# KiCad board glasgow_revD0.kicad_pcb (continued)
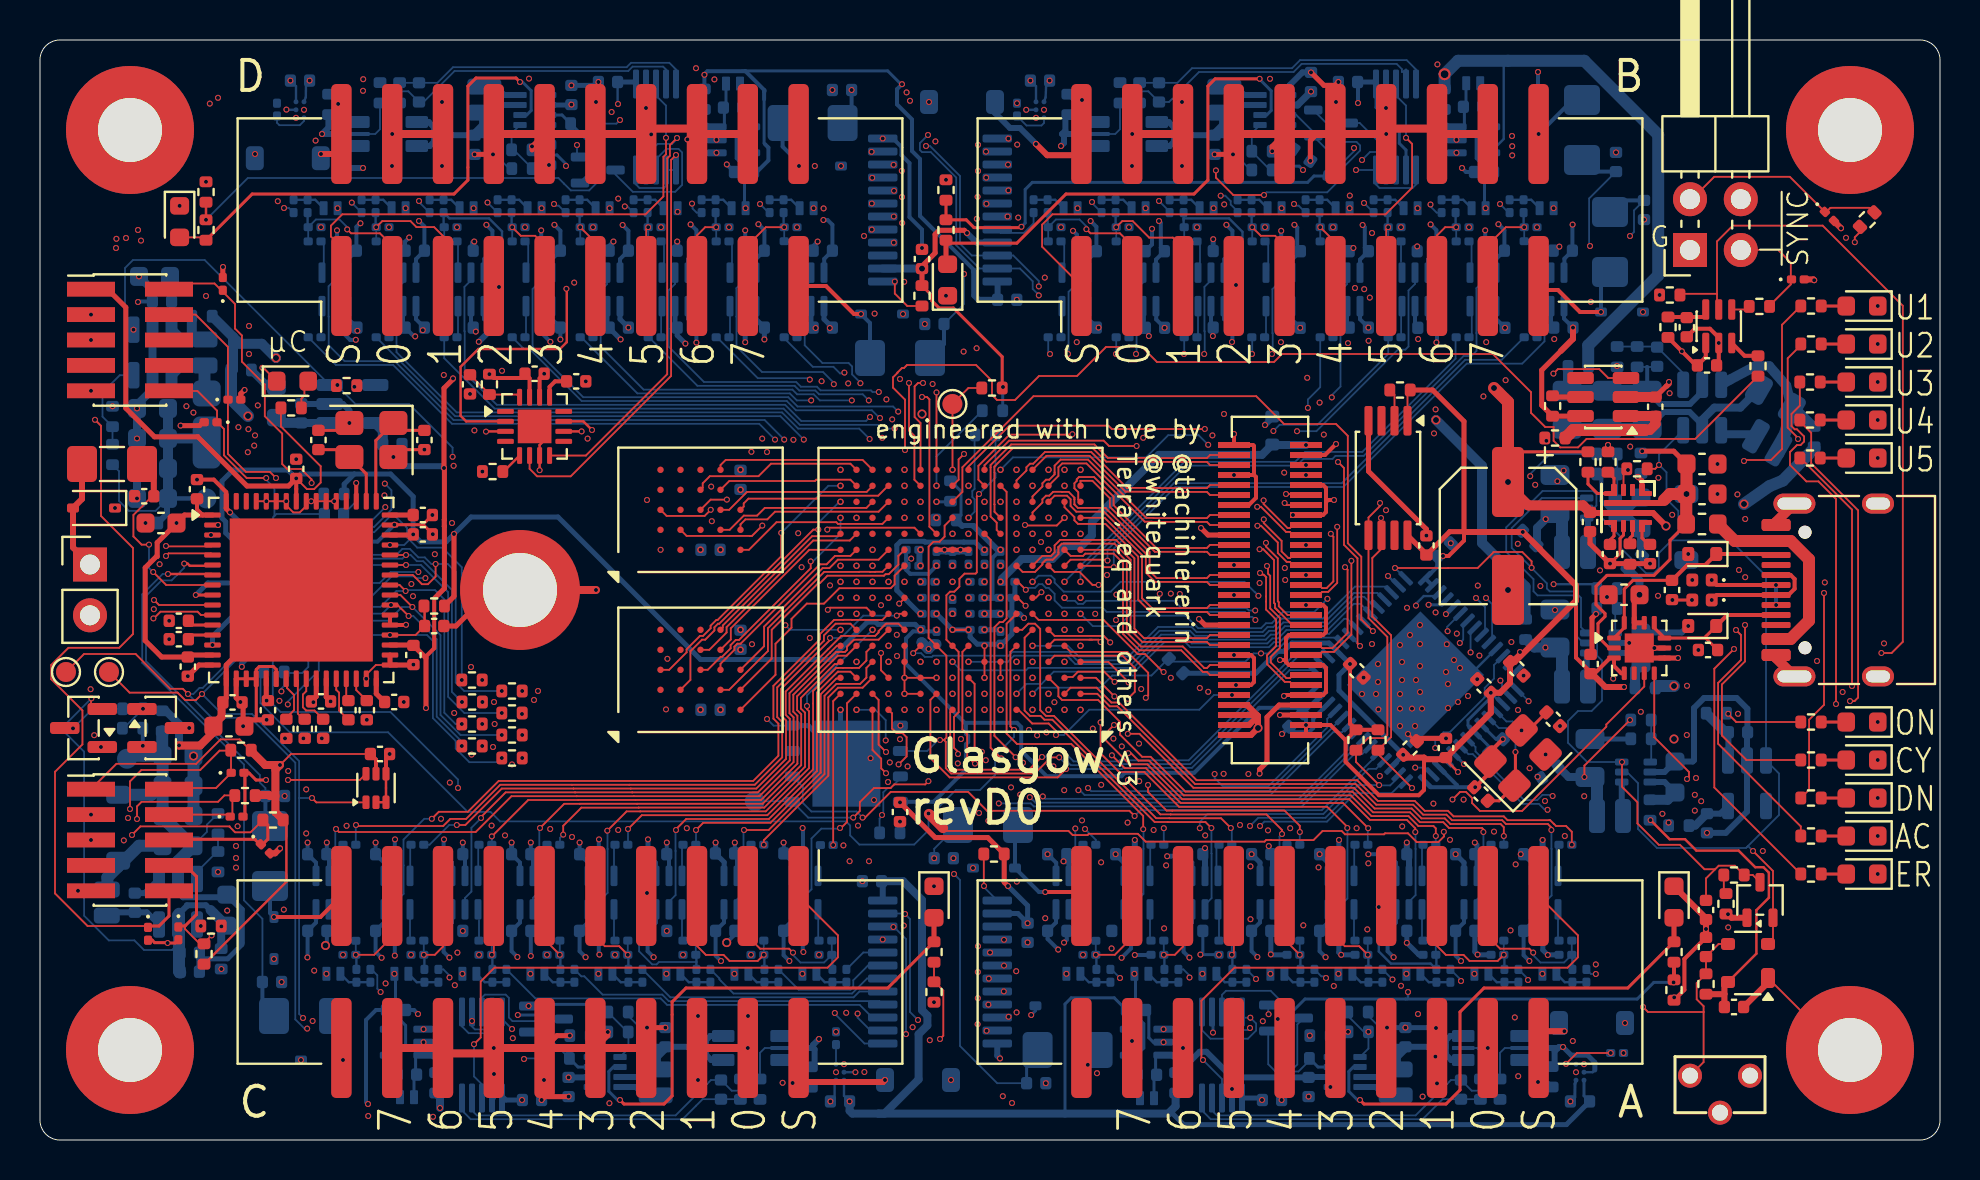
[diagram p0: board, top side]
## Nets (continued)
/Power/U1FB: R80.2 R81.1 U23.3
/Power/U1SW: D38.2 L5.2 U23.1
/Power/U2FB: R78.2 R79.1 U22.3
/Power/U2SW: C107.2 L6.1 U22.6
/Power/VAUXLDOIN: C90.1 NT8.1 U17.1
/RD: R40.2 U2.1 U8.E9
/SCL: R8.1 TP2.1 U1.6 U2.15 U3.1 U4.7 U6.26 U8.A12 U21.6 U24.22 U25.22 U34.1 U34.5 U46.1 U46.5 U58.1 U58.5 U70.1 U70.2 U70.5
/SCLK: R16.1 U8.A8
/SDA: R7.1 TP1.1 U1.5 U2.16 U3.6 U4.6 U6.27 U8.D11 U21.8 U24.23 U25.23 U34.4 U46.4 U58.2 U58.4 U70.4
/SYNC: R18.1 U8.D4
/USB/CC1: C14.1 D8.1 J1.A5 U4.10 U4.11
/USB/CC2: C15.1 D9.1 J1.B5 U4.1 U4.14
/USB/VUSB: C13.2 C18.2 D10.1 FB1.2 R22.2 U4.2 U5.5
/USB/xVBUS: FB1.1 J1.A4 J1.A9 J1.B4 J1.B9
/USB/~{INT}: U4.5
/USB_N: D7.1 J1.A7 J1.B7 U2.9
/USB_P: D6.1 J1.A6 J1.B6 U2.8
/WR: U2.2 U8.D10
/XTALIN: C11.2 U2.5 Y1.1
/XTALOUT: C10.2 U2.4 Y1.3
/~{ALERT}: D41.2 D61.2 D81.2 D101.2 R9.1 U2.33 U8.B4
/~{CY_RESET}: C92.1 D37.3 R68.2 U2.42 U13.6 U14.6 U18.6
/~{FPGA_RESET}: D29.1 J5.10 U2.34 U8.R9 U20.3
CFG0: R55.2 U6.14 U8.N10
CFG2: R57.2 U6.15 U8.R10
FLASH_~{HOLD}: R39.2 U6.23 U9.7
LS_3V3: C70.1 C125.2 C126.2 C129.2 C130.2 C136.2 C137.2 C143.2 C144.2 C150.2 C151.2 C154.2 C155.2 C161.2 C162.2 C168.2 C169.2 C175.2 C176.2 C179.2 C180.2 C186.2 C187.2 C193.2 C194.2 C200.2 C201.2 C204.2 C205.2 C211.2 C212.2 C218.2 C219.2 R48.2 R72.2 U10.1 U20.6 U26.1 U27.1 U29.1 U30.1 U31.1 U32.1 U35.1 U36.1 U38.1 U39.1 U41.1 U42.1 U43.1 U44.1 U47.1 U48.1 U50.1 U51.1 U53.1 U54.1 U55.1 U56.1 U59.1 U60.1 U62.1 U63.1 U65.1 U66.1 U67.1 U68.1 U71.1 U72.1
Net-(D1-A): D1.2 R1.2
Net-(D2-A): D2.2 R2.2
Net-(D3-A): D3.2 R3.2
Net-(D4-A): D4.2 R4.2
Net-(D5-A): D5.2 R5.2
Net-(D14-A): D14.2 R28.2
Net-(D24-A): D24.2 R41.2
Net-(D25-A): D25.2 R42.2
Net-(D26-A): D26.2 R43.2
Net-(D27-A): D27.2 R44.2
Net-(D28-A): D28.2 R45.2
Net-(D35-K): D35.1 J4.2 R58.1
Net-(D42-A): C148.2 D42.2 R93.2 U37.3
Net-(D43-A): D43.2 R110.2 R118.1
Net-(D44-A): D44.2 R111.2 R119.1
Net-(D45-A): D45.2 R112.2 R120.1
Net-(D46-A): D46.2 R113.2 R121.1
Net-(D47-A): D47.2 R114.2 R122.1
Net-(D48-A): D48.2 R115.2 R123.1
Net-(D49-A): D49.2 R116.2 R124.1
Net-(D50-A): D50.2 R117.2 R125.1
Net-(D62-A): C173.2 D62.2 R135.2 U49.3
Net-(D63-A): D63.2 R152.2 R160.1
Net-(D64-A): D64.2 R153.2 R161.1
Net-(D65-A): D65.2 R154.2 R162.1
Net-(D66-A): D66.2 R155.2 R163.1
Net-(D67-A): D67.2 R156.2 R164.1
Net-(D68-A): D68.2 R157.2 R165.1
Net-(D69-A): D69.2 R158.2 R166.1
Net-(D70-A): D70.2 R159.2 R167.1
Net-(D82-A): C198.2 D82.2 R177.2 U61.3
Net-(D83-A): D83.2 R194.2 R202.1
Net-(D84-A): D84.2 R195.2 R203.1
Net-(D85-A): D85.2 R196.2 R204.1
Net-(D86-A): D86.2 R197.2 R205.1
Net-(D87-A): D87.2 R198.2 R206.1
Net-(D88-A): D88.2 R199.2 R207.1
Net-(D89-A): D89.2 R200.2 R208.1
Net-(D90-A): D90.2 R201.2 R209.1
Net-(D102-A): C223.2 D102.2 R219.2 U73.3
Net-(D103-A): D103.2 R236.2 R244.1
Net-(D104-A): D104.2 R237.2 R245.1
Net-(D105-A): D105.2 R238.2 R246.1
Net-(D106-A): D106.2 R239.2 R247.1
Net-(D107-A): D107.2 R240.2 R248.1
Net-(D108-A): D108.2 R241.2 R249.1
Net-(D109-A): D109.2 R242.2 R250.1
Net-(D110-A): D110.2 R243.2 R251.1
Net-(Q1-D): Q1.3 R75.1
Net-(Q1-G): D37.2 Q1.1 R60.2 R69.2 U13.5 U14.5 U15.3 U16.2 U17.3 U18.5 U19.3 U23.4
Net-(Q2-G): Q2.1 R75.2 R77.2
Net-(R67-Pad2): R67.2 R68.1
Net-(R89-Pad1): R89.1 R90.2
Net-(R90-Pad3): R90.3 R91.1
Net-(R131-Pad1): R131.1 R132.2
Net-(R132-Pad3): R132.3 R133.1
Net-(R173-Pad1): R173.1 R174.2
Net-(R174-Pad3): R174.3 R175.1
Net-(R215-Pad1): R215.1 R216.2
Net-(R216-Pad3): R216.3 R217.1
Net-(U1-A1): R6.1 U1.2
Net-(U5-DVDT): C19.2 U5.7
Net-(U5-EN): R22.1 U5.1
Net-(U5-ILM): R23.1 U5.9
Net-(U5-ITIMER): C20.2 U5.10
Net-(U5-PGTH): R24.2 R25.1 U5.4
Net-(U7-AICOM): C51.1 R34.1 U7.8
Net-(U7-EXTCLK/XI): C38.1 U7.50 Y2.3
Net-(U7-LDO_DIG): C45.1 U7.48
Net-(U7-REF_EXT): C44.1 U7.32
Net-(U7-XO): C36.1 U7.49 Y2.1
Net-(U8I-CFG_1): R56.2 U8.P10
Net-(U10-A): R46.1 U10.3
Net-(U10-B): R50.2 U10.4
Net-(U10-DIR): R47.1 U8.C13 U10.5
Net-(U10-VCCB): C71.1 R48.1 U10.6
Net-(U13-FB): R61.2 R62.1 U13.1
Net-(U13-SW): L2.1 U13.4
Net-(U14-FB): R63.2 R64.1 U14.1
Net-(U14-SW): L3.1 U14.4
Net-(U15-SW): L1.2 U15.1
Net-(U15-V_{FB}): C87.2 R65.2 R66.1 U15.4
Net-(U18-FB): R70.2 R71.1 U18.1
Net-(U18-SW): L4.1 U18.4
Net-(U19-VIN): C96.1 FB2.2 U19.1
Net-(U20-QOD): R72.1 U20.5
Net-(U21-CAP): C104.1 U21.13
Net-(U21-GPIO/SDO): R74.1 U21.5
Net-(U21-VREF): C100.2 R73.2 U21.16
Net-(U22-BS): C107.1 U22.1
Net-(U24-~{INT}): R82.2 U24.1
Net-(U25-~{INT}): R83.2 U25.1
Net-(U28-S-CONF): R86.1 U28.8
Net-(U28-SW): L7.1 U28.4
Net-(U28-VOS): C131.1 C134.1 L7.2 R87.1 R90.1 U28.3
Net-(U33-Gate): C142.1 U33.A2
Net-(U34-~{Alert}): D41.3 U34.3
Net-(U40-S-CONF): R128.1 U40.8
Net-(U40-SW): L8.1 U40.4
Net-(U40-VOS): C156.1 C159.1 L8.2 R129.1 R132.1 U40.3
Net-(U45-Gate): C167.1 U45.A2
Net-(U46-~{Alert}): D61.3 U46.3
Net-(U52-S-CONF): R170.1 U52.8
Net-(U52-SW): L9.1 U52.4
Net-(U52-VOS): C181.1 C184.1 L9.2 R171.1 R174.1 U52.3
Net-(U57-Gate): C192.1 U57.A2
Net-(U58-~{Alert}): D81.3 U58.3
Net-(U64-S-CONF): R212.1 U64.8
Net-(U64-SW): L10.1 U64.4
Net-(U64-VOS): C206.1 C209.1 L10.2 R213.1 R216.1 U64.3
Net-(U69-Gate): C217.1 U69.A2
Net-(U70-~{Alert}): D101.3 U70.3

Pads without a net: J1 A8 B8; J2 6 7 8; J4 4; J5 7; SW1 SH; U1 3 7; U5 2; U6 22; U7 52 62 63; U8 M12 M13 M14 N14 P15 T13; U9 3; U11 A2 A4 A5 B1 B3 B4 B5 C2 C5; U12 A2 A4 A5 B1 B3 B4 B5 C2 C5; U17 4; U19 4; U20 4; U21 1 4 9 12; U24 3; U25 3

## Via types
v1: diameter 0.3, hole 0.2, Top to Bottom, 1410 vias
v2: diameter 0.45, hole 0.3, Top to Bottom, 17 vias
v3: diameter 0.4, hole 0.3, Top to Bottom, 1 via
v4: diameter 0.6, hole 0.4, Top to Bottom, 1 via

## Routing (per net, layer and track width the routed paths; a pad name or vN(x,y) marks a point on that pad's centre or on a via; arc(x,y) is an arc through that point)
+1V1: length 58.1
  Top w0.2: U8.L8 v1(46.03,29.51) v1(45.22,29.51) 44.82,29.51
  Top w0.25: J6.34 61.96,21.75 61.35,21.14 61.35,18.9 60.98,18.53 v1(60.98,18.32)
  In2.Cu w0.25: v1(47.42,15.96) 47.93,15.96 47.97,15.92 51.08,15.92 52.38,17.22 60.8,17.22 ; v1(74.88,18.16) 71.74,18.16 71.56,17.98 68.05,17.98 67.45,18.58 66.1,18.58 64.74,17.22 60.8,17.22 ; 60.8,17.22 60.8,18.14 v1(60.98,18.32) ; v1(45.62,26.31) 45.88,26.31 46.27,25.92 46.84,25.92 v1(47.22,26.31)
  In2.Cu w0.4: v1(47.22,26.31) v1(48.03,26.31)
  In3.Cu w0.25: v1(46.03,29.51) 46.03,26.71 v1(45.62,26.31) 46.04,25.89 46.04,21.35 46.44,20.96 46.44,19.89 46.32,19.78 46.32,17.57 47.42,16.47 v1(47.42,15.96)
  Bottom w0.2: v1(46.03,29.51) 46.34,29.51 ; v1(45.22,29.51) 44.91,29.51
  Bottom w0.3: C66.1 45.31,29.43 v1(45.22,29.51) ; C66.1 46.42,29.43 ; C66.1 45.94,29.43 v1(46.03,29.51) ; C64.1 45.63,29.43
  Bottom w0.4: C59.1 C62.1
+1V8: length 79.7
  Top w0.25: v1(62,21.25) J6.33
  In2.Cu w0.4: v1(34.03,29.51) 34.09,29.57 41.03,29.57 41.44,29.98 41.82,29.98 42.23,29.57 43.97,29.57 v1(44.03,29.51) v1(44.03,28.71)
  In2.Cu w0.5: v2(69.8,36) 69.67,35.87 63.14,35.87 62.71,36.3 v1(59.2,36.3) v2(44.1,36.3)
  In3.Cu w0.25: v1(59.2,36.3) 59.2,24.05 v1(62,21.25)
  In3.Cu w0.4: 34.03,24.51 v1(34.03,29.51) 35.03,30.51 v1(35.03,32.51) ; 34.03,24.51 v1(34.03,21.51) ; 34.03,24.51 v1(35.03,24.51)
  Bottom w0.3: C72.1 43.97,29.48 43.97,28.74 43.95,28.72
  Bottom w0.5: NT6.2 74.28,27.67 72.1,29.85 72.1,33.7 v2(69.8,36)
+2V5: length 69.8
  In2.Cu w0.2: 44.6,25.96 44.61,25.95 44.99,25.95 ; 45.26,25.95 44.99,25.95 ; 45.26,25.95 45.26,25.68 45.26,25.67 ; 45.26,25.95 45.59,25.95 ; 44.99,25.95 45.26,25.67 ; 45.85,25.07 46.06,25.28 46.06,25.51 ; 46.06,25.51 46.06,25.62 45.74,25.95 45.59,25.95 ; 46.06,25.51 46.06,25.36 46.28,25.15 46.28,25.15 46.36,25.07 52.37,25.07 52.94,25.64 66.33,25.64 68.84,28.15 77.82,28.15 77.85,28.12 82.23,28.12 82.61,28.5 v1(84.95,28.5) ; 45.59,25.95 45.54,25.95 45.26,25.67 ; 45.25,25.3 45.25,25.66 45.26,25.67
  In2.Cu w0.3: 45.25,25.3 45.46,25.1 45.53,25.1 45.56,25.07 46.36,25.07 ; 44.6,25.96 44.38,25.96 v1(44.03,26.31)
  In3.Cu w0.2: v1(84.95,28.5) 84.04,27.59 84.04,17.41 83.21,16.58 83.21,16.32 82.76,15.87 v1(81.43,15.87)
  Bottom w0.25: C57.1 46.76,29.89 46.19,29.89 46.18,29.89 44.25,29.89 44.21,29.94 43.04,29.94 42.84,29.74 42.84,27.48 43.34,26.98 43.34,26.97 44,26.31 44.1,26.31
  vias: v1(47.22,29.51)
+3V3: length 459.5
  Top w0.09: v1(12,18.75) 12.55,19.3 C12.1 ; R28.1 12.05,35.68 14.03,33.69 14.03,32.87 13.71,32.55 13.34,32.55 v1(12.81,33.08) ; U1.1 68.38,37.36 R6.2 ; v1(84.41,21.31) 84.41,21.3 84.81,20.9 R1.1 ; J5.1 3.82,18.81 7.81,18.81 9.03,20.03 9.98,20.03 10.56,19.45
  Top w0.12: C2.1 70.3,19 v1(70.9,18.4) ; R53.1 12.32,12.91 12.32,15.84 R52.1 ; C3.1 v1(74,24.4)
  Top w0.15: R54.2 48.11,39.16 45.67,41.6 44.95,41.6 44.59,41.96 44.59,42.22 R83.1
  Top w0.2: 65.28,19.99 65.28,18.91 66.95,17.24 68.94,17.24 69.2,17.5 69.2,19.12 ; 65.28,19.99 R7.2 ; 65.28,19.99 64.52,20.75 v1(63.3,20.75) J6.31 ; 71.2,30.4 71.2,29.97 70.43,29.2 v1(70.15,29.2) ; C12.1 16.8,19.02 U3.5 ; 76.8,26.97 76.8,24.12 77.6,23.32 77.72,23.32 78.5,24.1 U4.3 78.7,23.7 79.06,23.34 U4.4 ; v1(65.5,23.8) 65.5,20.81 R7.2 ; 12.81,33.08 U7.57 ; R7.2 R8.2
  Top w0.25: R29.1 20.7,27.18 v1(20.7,30.3) ; v1(46.35,45.35) 46.22,45.48 44.96,45.48 44.75,45.28 44.75,44.35 44.1,43.7 v2(44.1,43.57) R83.1 ; 18.63,30.25 U7.46 ; v1(48.4,12.7) 48.21,12.89 R82.1 47.39,15.12 44.76,15.12 v1(43,16.88) ; U1.8 69.32,29.29 C9.1 70.49,30.42 71.18,30.42 71.2,30.4 71.2,35.93 69.63,37.5 R6.2 ; J2.1 3.38,42.54 4.29,41.63 4.29,36.59 5.72,35.16 7.89,35.16 10.35,32.7 12.43,32.7 v1(12.81,33.08)
  Top w0.3: v1(68.16,19.26) 68.3,19.12 69.2,19.12 69.28,19.04 70.22,19.04 C2.1 72.54,21.36 v1(72.54,22.36) 73,22.36 73.5,22.86 C3.1 73.73,23.9 76.8,26.97 76.8,27.73 74.99,29.54 74.99,29.55 v1(74.14,30.4) 71.2,30.4 ; D37.1 84.58,11.11 84.39,11.3 R67.1 ; v1(79.2,22.65) 78.27,22.65 77.6,23.32
  Top w0.4: 11.77,17.2 11.5,17.2 11.45,17.25 10.76,17.25 ; 11.77,17.2 11.77,16.39 R52.1 ; 11.77,17.2 11.77,18.52 v1(12,18.75) 11.26,18.75 10.56,19.45
  In2.Cu w0.2: v1(65.9,51.85) 65.2,51.15 50.35,51.15 49.95,50.75 49.65,50.75 49.25,51.15 44.69,51.15 43.88,51.96 43.7,51.96 ; v1(28.9,51.8) 29.06,51.96 43.7,51.96 ; 43.7,51.96 v1(43.5,51.96)
  In2.Cu w0.25: v1(48.03,25.51) 48.45,25.94 48.45,26.69 v1(48.03,27.11) ; v1(47.22,27.11) 46.84,26.72 44.41,26.72 v1(44.03,27.11) ; v1(24.1,2) 24.19,1.91 ; v1(61.1,2) 60.6,1.5 48.6,1.5 v1(48.6,1.85)
  In2.Cu w0.3: v1(79.2,22.65) 79.7,22.15 83.57,22.15 v1(84.41,21.31)
  In2.Cu w0.4: v1(48.03,27.11) 48.53,27.61 48.53,29.01 v1(48.03,29.51) ; v1(48.03,27.11) 48.53,26.61 48.53,26.01 v1(48.03,25.51) v1(47.22,25.51) ; v1(48.03,27.11) v1(47.22,27.11) ; v1(44.83,25.51) v1(44.03,25.51) 43.56,25.97 43.56,26.65 v1(44.03,27.11) v1(44.03,27.91)
  In2.Cu w0.5: 24.19,1.91 24.81,1.29 48.04,1.29 v1(48.6,1.85) 60.95,1.85 v1(61.1,2)
  In3.Cu w0.2: v1(43.5,51.96) 43.5,44.17 v2(44.1,43.57) ; v1(48.03,29.51) 48.03,31.14 47.66,31.5 47.66,37.14 48.15,37.62 v1(48.15,37.65)
  In3.Cu w0.25: 44.44,25.9 44.44,26.69 v1(44.03,27.11) ; 44.44,25.9 v1(44.83,25.51) ; 44.44,25.9 44.05,25.51 v1(44.03,25.51) ; v1(74.14,30.4) 74.14,30.83 75.35,32.04 75.35,34.25 75.32,34.28 v1(75.32,34.96)
  In3.Cu w0.3: v1(84.41,21.31) 84.4,21.3 84.4,11.4 R67.1
  In3.Cu w0.4: 12.55,19.1 12.35,19.1 v1(12,18.75)
  In3.Cu w0.5: v1(48.6,1.85) 48.6,1.87 50.34,3.61 50.34,9.88 v1(49.38,10.84)
  In3.Cu w0.6: v1(12.81,33.08) 13.14,33.41 14.03,33.41 15.27,32.17 15.27,24.03 15.25,24.01 15.25,20.45 13.9,19.1 12.55,19.1
  Bottom w0.12: U2.55 74,24.34 v1(74,24.4) ; v1(28.9,51.8) 28.88,51.82 C216.1 ; U2.3 73.09,21.81 v1(72.54,22.36) ; v1(70.9,18.4) U2.11
  Bottom w0.15: U46.6 66.8,51.63 67.97,50.46 67.97,49.83 68.3,49.5 U46.2 ; R57.1 48.13,37.64 v1(48.15,37.65) ; C4.1 72.46,19.67 U2.7 71.4,20.73 71.4,20.99 72.54,22.13 v1(72.54,22.36) ; R55.1 46.05,31.24 46.05,32.43 R56.1
  Bottom w0.2: 46.3,20.8 46.3,20.31 46.41,20.2 46.41,19.9 46.3,19.79 46.3,18.53 44.68,16.91 U9.8 ; 46.3,20.8 43.3,23.8 43.3,25.08 43.65,25.43 44,25.43 ; 46.3,20.8 46.35,20.86 48.85,20.86 49.06,20.65 49.06,19.46 49.51,19.01 49.51,19.01 50.33,18.19 54.08,18.19 54.25,18.36 57.71,18.36 60.96,21.61 62.87,21.61 C7.1 ; U2.27 63.96,22.16 C7.1 ; v1(48.03,29.51) 47.62,29.11 47.62,27.14 47.6,27.11 ; C166.1 65.9,52.88 v1(65.9,51.85) ; C7.1 63.3,21.18 v1(63.3,20.75) ; U2.32 v1(65.5,23.8) ; 44.07,25.43 C65.1 ; U2.44 U2.43 69.28,28.08 69.86,28.66 C6.1 70.11,29.16 v1(70.15,29.2)
  Bottom w0.25: 46.11,30.7 46.13,30.72 46.65,30.72 46.67,30.7 ; C116.1 47.94,25.51 v1(47.22,25.51) ; v1(24.1,2) 23.3,2 23.2,2.1 ; U24.2 48.9,11.33 v1(49.38,10.84) 49.38,11.72 v1(48.4,12.7) ; U70.6 29.7,52.9 28.9,52.9 ; R9.2 60.79,23.34 61.89,24.43 62.18,24.43 62.6,24.85 64.45,24.85 v1(65.5,23.8) 64.95,23.25 64.95,22.47 v1(68.16,19.26) 67.58,18.68 U2.17 ; 10.35,29.29 9.28,30.36 9.28,30.91 9.1,31.09 9.1,32.95 9.65,33.5 12.39,33.5 v1(12.81,33.08) 13.03,33.3 15.72,33.3 ; 15.72,33.3 17.53,33.3 18.66,32.17 v1(18.66,30.28) 19.03,29.91 20.31,29.91 v1(20.7,30.3) 21.55,31.15 25.9,31.15 33.03,24.03 39.5,24.03 41.37,25.89 41.78,25.89 41.9,25.78 43.76,25.78 v1(44.03,25.51) ; 15.72,33.3 15.21,32.79 R26.1 ; U46.6 66.7,52.9 65.9,52.9 ; 10.56,29.29 U6.3 ; U34.6 61.02,2.1
  Bottom w0.3: R55.1 46.11,30.7 ; C67.1 C69.1 ; v1(46.35,45.35) 46.82,44.88 U25.21 ; 48.03,29.44 47.95,29.44 46.68,30.7 46.67,30.7
  Bottom w0.4: U25.2 44.09,43.58 v2(44.1,43.57)
  vias: v1(84.4,11.29)
+5V: length 199.6
  Top w0.12: v1(80.53,16) 81.48,15.04 82.25,15.04 82.82,14.47 84.93,14.47 85.76,13.64 86.17,13.64 86.44,13.37 86.44,12.11 85.82,11.49 85.82,9.32 U16.4
  Top w0.15: R24.1 73.45,34.41 73.44,34.42
  Top w0.25: 79.71,27 U4.13 U4.12
  Top w0.3: J6.4 60.35,21.75 60.9,21.2 ; J6.2 60.45,20.75 60.9,21.2 ; R59.1 84.21,7.29 84.22,7.3 ; 77.53,31.35 U5.6 80.65,31.35 v2(81.3,30.7) ; 60.9,21.2 60.85,21.25 J6.3 ; 60.9,21.2 v2(60.9,20.6) 60.55,20.25 J6.1 ; C84.2 84.22,7.3 ; 84.22,7.3 84.22,7.72 U16.4
  Top w0.5: C21.1 77.15,31.73 74.41,31.73 73.4,32.74 v2(73.4,32.9)
  Top w0.6: v2(73.4,32.9) 73.4,36.9 v2(72.7,37.6)
  In2.Cu w0.4: v2(60.9,20.6) 60.9,20.06 61.66,19.31 64.51,19.31 65.13,19.92 67.55,19.92 67.75,19.72 68.47,19.72 69.29,20.54 73.29,20.54 73.81,20.02 81.67,20.02 v2(81.7,20.05)
  In2.Cu w0.6: v2(85.2,31.8) 84.1,30.7 v2(81.3,30.7) 80.3,31.7 74.44,31.7 73.4,32.74 v2(73.4,32.9) ; v2(11.8,39.1) 35.26,39.1 35.52,39.36 44.06,39.36 44.68,38.74 71.56,38.74 v2(72.7,37.6)
  In3.Cu w0.6: v2(81.3,30.7) 81.3,28.59 v2(79.97,27.26) 80.64,26.38 80.93,25.55 81.34,24.77 81.34,23.06 v2(81.7,22.7) v2(81.7,20.05) 81.7,18.44 80.51,17.25 80.51,16.01 v1(80.53,16) 80.51,15.98 ; v1(9.07,8.55) 10.7,10.18 10.7,20.44 10.72,20.46 10.72,33.81 11.38,34.47 11.38,35.39 10.57,36.2 v2(10.4,36.2)
  Bottom w0.4: 79.28,28.67 79.97,27.97 v2(79.97,27.26)
  Bottom w0.5: NT15.2 9.65,40.15 ; 9.65,40.15 9.65,38.51 9.61,38.47 ; 9.65,40.15 9.99,39.81 11.09,39.81 v2(11.8,39.1)
  Bottom w0.6: 88.73,34.6 87.14,32.97 86.47,32.69 v2(85.2,31.8) ; 80.77,22.62 80.85,22.7 v2(81.7,22.7) ; v2(10.4,36.2) 9.55,37.05 9.55,38.51
+5V5: length 295.7
  In2.Cu w0.4: v1(12.52,52.97) 12.98,52.51 16.1,52.51 v1(16.15,52.46) 16.17,52.44 25.9,52.44 v1(26.57,51.77) 27.16,52.36 28.36,52.36 28.99,52.99 32.95,52.99 v1(33.22,53.26) 33.73,53.77 42.12,53.77 v1(43.1,52.79) 43.29,52.98 49.51,52.98 v1(49.52,52.97) 49.98,53.43 51.32,53.43 52.39,52.36 62.98,52.36 63.04,52.42 v1(63.55,52.42) 64.1,52.42 64.16,52.36 68.61,52.36 69.54,53.29 v4(70.23,53.29)
  In2.Cu w0.5: v1(20,1.6) 22.91,1.6 24.87,3.56 26,3.56 v1(26.43,3.13) 28.59,3.13 29.58,2.14 39.01,2.14 39.31,2.44 39.97,2.44 v1(40.48,1.93)
  In2.Cu w0.6: v1(20,1.6) 19.8,1.8 v1(16.4,1.8)
  In3.Cu w0.4: 17.04,30.77 18.17,31.9
  In3.Cu w0.6: v1(16.4,1.8) 16.4,9.44 16.22,9.62 16.22,15.1 16.92,15.8 16.92,30.65 17.04,30.77 ; v1(16.15,52.46) 17.3,52.46 19.51,50.25 19.51,45.38 17.9,43.77 17.9,40.07 18.23,39.74 18.23,31.96 18.17,31.9
  Bottom w0.12: v1(49.52,52.97) 49.8,52.69 U45.C1 ; v1(12.52,52.97) 12.8,52.69 U69.C1 ; 73.4,53.96 73.19,53.75 73.19,50.05 U49.5 ; U57.C1 40.2,2.21 v1(40.48,1.93)
  Bottom w0.15: C140.1 77.2,2.21 U33.C1 ; 36.25,49.79 36.21,49.83 36.21,52.03 ; U37.5 54.32,5.72 C147.1 53.71,7.11 51.56,7.11 51.25,6.8 51.25,1.32 ; 35.12,53.45 42.38,53.45 43.05,52.79 v1(43.1,52.79)
  Bottom w0.2: v1(16.4,1.8) 16.3,1.9 16.3,6 16.8,6.5 C197.1 17.32,5.72 U61.5 ; U49.5 72.68,49.18 C172.1 ; U73.5 35.68,49.18 C222.1 35.84,48.4 36.42,48.98 36.42,49.62 36.25,49.79 ; 36.21,52.03 36.21,52.42 36.22,52.43 36.22,52.49 35.27,53.44 33.37,53.44 33.22,53.29 v1(33.22,53.26) R219.1 ; v1(43.1,52.79) 42.85,52.54 42.85,51.78 43.6,51.03 43.6,49.45 44,49.05 44,46.2 46.69,43.51 46.69,43.43
  Bottom w0.25: 56.41,1.32 56.63,1.32 57.18,0.77 76.32,0.77 C140.1 ; v1(26.57,51.77) 26.55,51.75 U64.6
  Bottom w0.3: R93.1 57.35,2.92 57.35,3.78 57.98,4.41 58.32,4.41 59.6,3.13 C124.1 63.45,3.15 U28.6 ; U24.24 42.14,12.88 C122.1 ; U52.6 27.5,3.13 v1(26.43,3.13) ; U25.24 47.88,42.91 C123.1 46.93,42.01 46.71,42.23 46.71,43.42 46.69,43.43
  Bottom w0.35: v1(63.55,52.42) 62.88,51.75 U40.6
  Bottom w0.4: C122.1 43.16,12.94 44.1,12 44.1,6.49 44.37,6.22 44.37,5.73 43.93,5.29 43.93,3.03 42.22,1.32 41.92,1.32 ; R93.1 56.78,1.69 56.41,1.32 41.92,1.32 ; 41.92,1.32 40.62,1.32 40.48,1.46 v1(40.48,1.93) ; R177.1 20,2.13 v1(20,1.6)
  Bottom w0.6: 77.41,38.64 77.41,39.73 80.91,43.23 80.91,50.27 77.22,53.96 70.9,53.96 v4(70.23,53.29) 70.23,52.56 R135.1
+15V: length 13.1
  Top w0.2: C28.1 7.85,31.53 8.13,31.25
  Top w0.25: C25.1 6.08,24.15 5.26,24.97 5.26,28.61 5.82,29.17 5.86,29.17 5.86,29.87 6.84,30.85 ; v1(6.82,30.85) 7.22,31.25 U7.1 ; U7.15 7.49,24.25
-15V: length 13.1
  Top w0.25: U7.65 9.31,23.75 U7.17 9.31,22.11 9.08,21.88
  Top w0.4: 9.08,21.88 9.08,21.17 8.6,20.69 8.6,20.33 8,19.72 6.96,19.72 v1(6.95,19.73)
  Bottom w0.4: v1(6.95,19.73) 6.95,20.8 6.3,21.45 6.12,21.45 6.14,21.43
/IO Banks/Bank A/Vin+: length 15.1
  Bottom w0.09: 58.2,2.1 58.2,1.38 58.53,1.04 69.13,1.04 70.13,2.04 C135.1 72.01,2.04
/IO Banks/Bank A/Vin-: length 16.2
  Bottom w0.09: 58.7,2.1 58.7,1.38 58.85,1.23 68.78,1.23 70.55,3 C135.2 71.59,2.47 72.56,2.47 R91.2
/IO Banks/Bank B/Vin+: length 15.2
  Bottom w0.09: U46.10 68.8,53.52 68.33,53.99 63,53.99 62.6,53.59 57.6,53.59 56.87,52.86 C160.1 54.99,52.86
/IO Banks/Bank B/Vin-: length 16.5
  Bottom w0.09: U46.9 68.3,53.52 68.18,53.4 68.09,53.4 68.09,53.54 67.83,53.8 63.08,53.8 62.68,53.4 57.95,53.4 56.45,51.9 C160.2 55.41,52.44 54.44,52.44 R133.2
/IO Banks/Bank C/Vin+: length 15.1
  Bottom w0.09: 35.01,2.04 C185.1 33.13,2.04 32.13,1.04 21.53,1.04 21.2,1.38 21.2,2.1
/IO Banks/Bank C/Vin-: length 16.2
  Bottom w0.09: 21.7,2.1 21.7,1.38 21.85,1.23 31.78,1.23 33.55,3 C185.2 34.59,2.47 35.56,2.47 R175.2
/IO Banks/Bank D/Vin+: length 15.1
  Bottom w0.09: 17.99,52.86 C210.1 19.87,52.86 20.65,53.64 29.33,53.64 29.55,53.86 31.47,53.86 31.8,53.52 U70.10
/IO Banks/Bank D/Vin-: length 16.2
  Bottom w0.09: U70.9 31.3,53.52 31.15,53.67 29.63,53.67 29.41,53.45 20.73,53.45 19.18,51.9 C210.2 18.41,52.44 17.44,52.44 R217.2
/Power/1V1OUT: length 7.6
  Top w0.09: v1(79.5,21) 77.22,18.72 v1(77.22,18.15)
  Bottom w0.09: R70.1 v1(79.5,21)
  Bottom w0.4: 75.91,18.67 76.43,18.15 v1(77.22,18.15) C97.1
  Bottom w0.6: 77.58,18.08 77.85,17.8 L4.2
/Power/1V8OUT: length 8.7
  In3.Cu w0.12: v1(75.27,24.62) 75.27,27.35 75.61,27.69
  Bottom w0.12: v1(75.68,27.79) 77.62,27.79 R63.1
  Bottom w0.5: C86.1 v1(75.27,24.62) 74.72,24.62 74.3,25.04
  Bottom w0.6: L3.2 76.1,24.27
/Power/2V5OUT: length 2.4
  Bottom w0.3: U17.5 84.02,16.32 C94.1
  Bottom w0.4: 83.38,16.34 82.76,15.72 NT11.1
/Power/3V3LSIN: length 6.7
  Top w0.5: C95.1 80.76,35.82 80.78,35.8 80.48,35.5 80.27,35.5 ; U20.1 80.78,36.2 80.8,36.22
  Top w0.6: 80.27,35.5 76.66,35.5 NT12.1
/Power/3V3OUT: length 12.4
  In3.Cu w0.09: v1(74.51,33.19) 73.84,32.52 73.84,30.27 74.01,30.09 74.34,30.09 v1(75.28,31.05)
  Bottom w0.09: v1(74.51,33.19) 74.51,33.3 75.51,34.3 R61.1
  Bottom w0.25: C85.1 75.55,31.35
  Bottom w0.4: 75.4,31.16 v1(75.28,31.05) 74.85,30.61 74.85,29.73
  Bottom w0.6: L2.2 76.1,31
/Power/5V5OUT: length 10.6
  Bottom w0.09: 80.83,38.65 R65.1
  Bottom w0.2: 80.35,38.65 80.36,38.64 C93.1
  Bottom w0.3: C93.1 81.02,36.8 82.5,36.8 83.11,37.41
  Bottom w0.5: NT9.1 76.4,37.53 76.39,37.52
  Bottom w0.6: C93.1 C88.1
GND: length 423.9
  Top w0.09: v1(43.22,23.11) v1(43.22,22.31) U8.B11 ; v1(43.22,23.11) U8.D12 U8.E12 ; v1(43.22,23.11) U8.C11 v1(44.82,23.11) 44.83,23.11 ; 16.31,23.27 16.79,23.75 U7.33 ; v1(48.03,23.11) U8.D6 ; v1(51.22,31.11) 50.84,30.72 49.28,30.72 v1(49.25,30.75) ; H1.1 90,4.5 U16.1 ; U7.53 v1(14.71,31.94) v1(13.56,31.94) U7.56 13.31,31.7 12.99,31.38 12.66,31.38 12.31,31.73 v1(12.31,31.94) v1(11.32,31.94) U7.61 ; v1(47.22,24.71) U8.D7 v1(47.22,23.11)
  Top w0.12: v1(45.62,25.51) v1(46.43,25.51) ; v1(15.72,37.66) 15.78,37.72 R69.1 ; 25.32,35.09 24.98,34.75 U21.7 v1(24.98,33.49) ; v1(68.4,20.3) 68.76,19.94 C1.2 ; U3.2 U3.3 U3.4
  Top w0.15: v1(17.72,30.77) 17.71,30.75 U7.47 ; U5.8 79.18,30.25 79,30.07 79,29.32 v1(78.5,28.82) ; C38.2 15.1,35.48 ; v1(19.64,30.29) 19.16,30.77 19.03,30.77 ; 10.8,21.01 10.81,21.02 U7.20 ; U7.22 11.81,23.53 11.66,23.67 10.97,23.67 10.81,23.52 U7.20 ; v1(19.22,34.52) 18.04,34.52 ; v1(11.3,18) 10.8,18 10.45,18.35 10.25,18.35 10.25,16.2 ; U7.20 U7.19 U7.18 ; 6.9,10 6.75,9.85 v1(6.38,9.85) 6.36,9.87 5.73,9.87 5.6,10 5.47,10 ; 19.03,30.77 19.13,30.77 v1(19.62,31.25) ; 19.03,30.77 17.51,30.77 ; v1(82.6,27) v1(81.62,27) ; U7.9 v1(7.79,27.25)
  Top w0.2: U21.14 24.98,38.08 v1(25.21,38.31) ; v1(18.3,25.76) 18.29,25.75 U7.37 U7.38 ; v1(59.7,24.25) 60.55,24.25 60.7,24.1 60.7,22.9 60.55,22.75 v1(59.8,22.75) J6.6 ; J6.59 64.25,34.25 v1(64.8,34.8) ; 64.3,31.9 64.3,31.4 64.15,31.25 J6.53 ; 64.3,31.9 64.3,32.6 64.15,32.75 J6.56 ; 64.3,31.9 64.4,32 v1(64.7,32) ; v1(63.3,26.75) 64.15,26.75 64.3,26.6 64.3,25.4 64.15,25.25 J6.41 62.45,25.25 62.3,25.1 62.3,23.9 62.45,23.75 J6.38 64.15,23.75 64.3,23.6 64.3,22.4 64.15,22.25 J6.35 62.25,22.25 v1(62.2,22.2) ; J6.24 60.44,31.75 60.8,32.11 60.8,33.15 60.7,33.25 v1(59.7,33.25) 60.65,33.25 60.7,33.3 60.7,34.7 60.65,34.75 J6.30 v1(59.7,35.3) ; v1(73.14,20.04) 72.52,19.42 Y1.4 72.52,18.4 v1(71.76,17.64) C11.1 ; U7.64 9.31,32.4 8.69,33.02 v1(7.85,33.02) ; v1(17.48,19.3) 17.3,19.12 U3.4 ; 62.3,24 v1(62,24) ; C83.2 82.22,9.05 82.22,7.51 81.84,7.13 v1(81.71,7.13) ; C71.2 82.74,40.56 83.5,40.56 83.94,40.12 v1(83.94,39.85) 83.94,38.84 C70.2 ; v1(15.81,32.85) 15.81,32.85 U7.51
  Top w0.25: U7.18 9.81,23.06 9.81,22.11 v1(10.02,21.9) ; v1(22.65,49.28) v1(21.73,49.28) ; D11.2 8.14,35.89 7.97,35.72 v1(7.03,35.72) ; v1(9.5,31.38) 9.31,31.57 U7.64 ; v1(27.92,52.9) 27.92,51.9 ; C121.2 v1(44.1,44.6) ; v1(28.39,5.4) 28.39,5.22 J9.10 ; 80.46,24.1 U4.8 v1(81.9,24.1) ; 77.6,24.28 77.6,26.1 v1(77.8,26.3) ; 25.08,3 v1(25.08,2) 25.25,2.17 v1(26.43,2.17) ; R214.2 24.61,49.52 24.61,49.68 J10.10 ; v1(80.5,28.82) v1(78.5,28.82) 77.5,29.82 C21.2 ; v1(9.15,43.65) 9.14,43.64 D13.2 ; v1(7.39,23.19) 7.95,23.75 U7.16 ; C95.2 81.32,37.7 81.35,37.7 81.45,37.8 v1(81.45,37.9) ; U1.4 66.43,33.44 69.32,30.54 v1(69.32,30.22) C9.2 ; J8.10 61.61,49.68 61.61,49.62 ; 64.92,51.9 v1(64.92,52.9) 64.75,52.73 64.2,52.73 v1(63.55,53.38) ; v1(10.23,37.5) 10.04,37.31 D12.2 ; U4.9 v1(80.72,24.6) 80,24.6 ; J9.12 25.85,5.22 v1(26.49,5.22) ; U7.27 14.31,22.15 v1(14.53,21.93) ; J8.12 63.85,50.3 63.52,49.97 v1(63.52,48.96) ; H5.1 21.57,26.47 20.8,25.7 C43.2 ; v1(57.95,26.05) 58.25,25.75 J6.12 ; v1(59.65,49.28) v1(58.73,49.28) ; J6.21 58.4,30.25 v1(58.05,30.6) ; C1.2 68.98,20.08 v1(70.3,20.08) ; v1(11.33,21.01) 10.47,21.01 v1(10.16,20.69) 10.16,21.77 ; U7.34 U7.33 18.65,23.75 ; v1(30.35,5.62) v1(31.27,5.62)
  Top w0.3: C84.1 86.4,7.87 U16.1 ; v1(90.05,45.59) 89.71,45.93 89.71,45.94 ; R25.2 v1(78.4,34.75) ; D40.1 83.3,11.09 C92.2 v1(83.3,10.55) C83.2 ; v1(88.71,42.99) 88.67,43.03 D32.2 ; D33.2 11.75,14.33 v1(12,14.58)
  Top w0.4: J9.8 J9.10 J9.12 v1(22.69,4.6) ; v1(67.31,50.3) J8.12 J8.10 J8.8 ; J8.16 J8.18 ; J9.6 v1(35.39,4.6) ; J10.6 v1(17.61,50.3) ; J9.16 J9.18 ; 22.42,4.33 20.42,4.33 ; J10.8 J10.10 30.54,50.3 v1(30.56,50.28) ; J8.6 v1(54.61,50.3) ; 67.58,50.57 69.58,50.57 ; H5.1 v1(27.8,27.5) ; J10.16 J10.18 ; 30.58,50.57 32.58,50.57
  Top w0.5: J1.A12 86.81,30.91 J1.SH ; J1.A1 86.81,24.09 J1.SH ; U20.2 80.84,37.15
  Bottom w0.09: U9.4 36.68,20.72 v1(36.35,21.05) ; C23.2 15.81,31.93 v1(15.81,32.85) ; v1(78.35,27.15) 77.84,26.64 R64.2 ; v1(43,15.92) R39.1 ; C86.2 v1(75.75,26.5)
  Bottom w0.12: U45.C2 50.28,52.13 50.31,52.8 v1(50.48,52.97) ; U57.C2 39.73,2.84 39.73,2.14 v1(39.52,1.93) ; v1(67.4,28.2) 67.87,27.73 U2.41 ; U2.53 71.25,23 U2.57 ; v1(74.18,23.22) 73.91,23.49 U2.56 ; U69.C2 13.29,52.14 13.3,52.79 v1(13.48,52.97)
  Bottom w0.15: U2.10 70.67,19.33 v1(71.2,18.8) ; v1(58.65,5.37) 58.65,6.35 U34.2 ; v1(56.18,4.89) 55.66,4.89 55.44,5.12 55.44,6.34 ; C133.2 58.14,9.39 v1(58.02,9.27) 58.72,9.27 58.73,9.26 v1(58.95,9.26) ; v1(49.56,6.25) 49.77,6.46 D16.1 ; v1(73.14,20.04) 72.8,20.04 U2.6 ; U6.9 U6.10 ; v1(76.52,1.93) 76.74,2.15 76.75,2.81 U33.C2
  Bottom w0.2: C153.2 65.62,44.6 v1(65.67,44.6) ; v1(38.13,15.6) 38.15,15.58 C175.1 38.25,14.23 U50.2 ; 72.15,41.39 72.15,40.75 C162.1 ; v1(25.06,45.48) C220.2 ; C202.2 14.85,44.48 v1(14.85,45.48) ; U62.2 14.75,40.76 C200.1 15.51,40 15.78,40 v1(15.79,40.01) ; v1(54.74,9.25) 55.54,9.25 D54.2 ; U70.7 v1(30.3,51.6) ; v1(71.1,48.6) 71.3,48.4 C172.2 ; 70.84,17.64 v1(71.76,17.64) ; 70.84,17.64 70.84,17.75 69.96,18.63 U2.12 ; 70.84,17.64 69.54,17.64 U2.14 ; C169.1 75.55,40.76 75.55,41.39 ; v2(14.28,9.73) 14.34,9.79 C196.2 ; 68.75,41.39 68.75,40.75 C155.1 ; C161.1 58.55,40.73 58.55,41.39 ; v1(21.14,14.87) C180.1 21.25,14.18 U54.2 ; v1(18.46,45.13) 18.25,44.92 18.25,44.48 C207.2 ; 65.35,41.39 65.35,40.73 C151.1 ; C157.2 55.6,44.78 v1(55.6,45.56) ; C177.2 38.14,9.43 v1(38.17,9.4) ; v1(62.1,20.3) C7.2 62.73,20.39 63.45,20.39 63.66,20.6 63.66,21.07 U2.26 ; v1(17.74,9.22) C189.2 ; U56.2 17.85,14.18 C187.1 17.74,15.02 v1(17.75,15.03) ; v1(27.97,9.27) 27.94,9.3 27.94,10.45 C195.2 ; v1(18.76,40.18) 18.69,40.25 18.63,40.25 C204.1 18.15,40.73 U65.2 ; v1(51.2,9.87) 51.34,10.01 C146.2 ; v1(14.34,14.87) C194.1 14.45,14.18 U60.2 ; 61.95,41.39 61.95,40.71 C168.1 ; v1(42.14,50.08) 42.65,50.08 43.07,49.65 43.07,49.24 43.47,48.84 43.47,46.15 44.1,45.52 v1(44.1,44.6) ; v1(31.34,14.87) 31.34,14.87 C186.1 31.45,14.18 U55.2 ; U13.2 78.43,31.6 78.06,31.96 78.06,33.08 R62.2 ; v1(38.88,44.92) 38.65,44.69 38.65,44.48 C221.2 ; 43.31,29.07 v1(43.56,29.07) ; 43.31,29.07 C72.2 ; 43.31,29.07 43.31,28.51 43.51,28.31 44.43,28.31 v1(44.82,28.71) ; C171.2 75.76,44.47 v1(75.97,44.67) ; U53.2 34.85,14.21 C179.1 34.74,14.34 v1(34.74,14.87) ; U51.2 24.65,14.18 C176.1 v1(24.54,14.87) ; C203.2 28.46,44.71 v1(28.67,44.92) ; v1(35.26,45.48) 35.26,44.47 C214.2 ; v1(27.95,15.03) 27.94,15.02 C193.1 28.05,14.18 U59.2 ; C152.2 51.85,44.45 51.85,45.26 v1(51.65,45.46) ; v1(25.52,39.91) 25.08,40.35 25.08,40.6 C218.1 24.95,40.73 U71.2 ; v1(21.79,40.42) 21.79,40.49 21.55,40.73 U67.2 ; C182.2 34.74,10.28 v2(34.34,9.87) ; v1(24.54,9.2) C178.2 ; U46.7 v1(67.3,51.6) ; v1(34.34,48.78) C222.2 ; v1(72.26,45.48) C164.2 ; C106.2 4.93,41.93 v1(4.9,41.9) ; v1(18.9,6.3) 18.7,6.5 C197.2 ; 22.7,2.1 v1(22.7,3.3) ; v1(62.06,45.46) C170.2 ; D18.1 v1(74.9,53.4) ; U6.9 14.07,29.92 16.88,29.92 v1(17.72,30.77)